# KiCad board digital.kicad_pcb
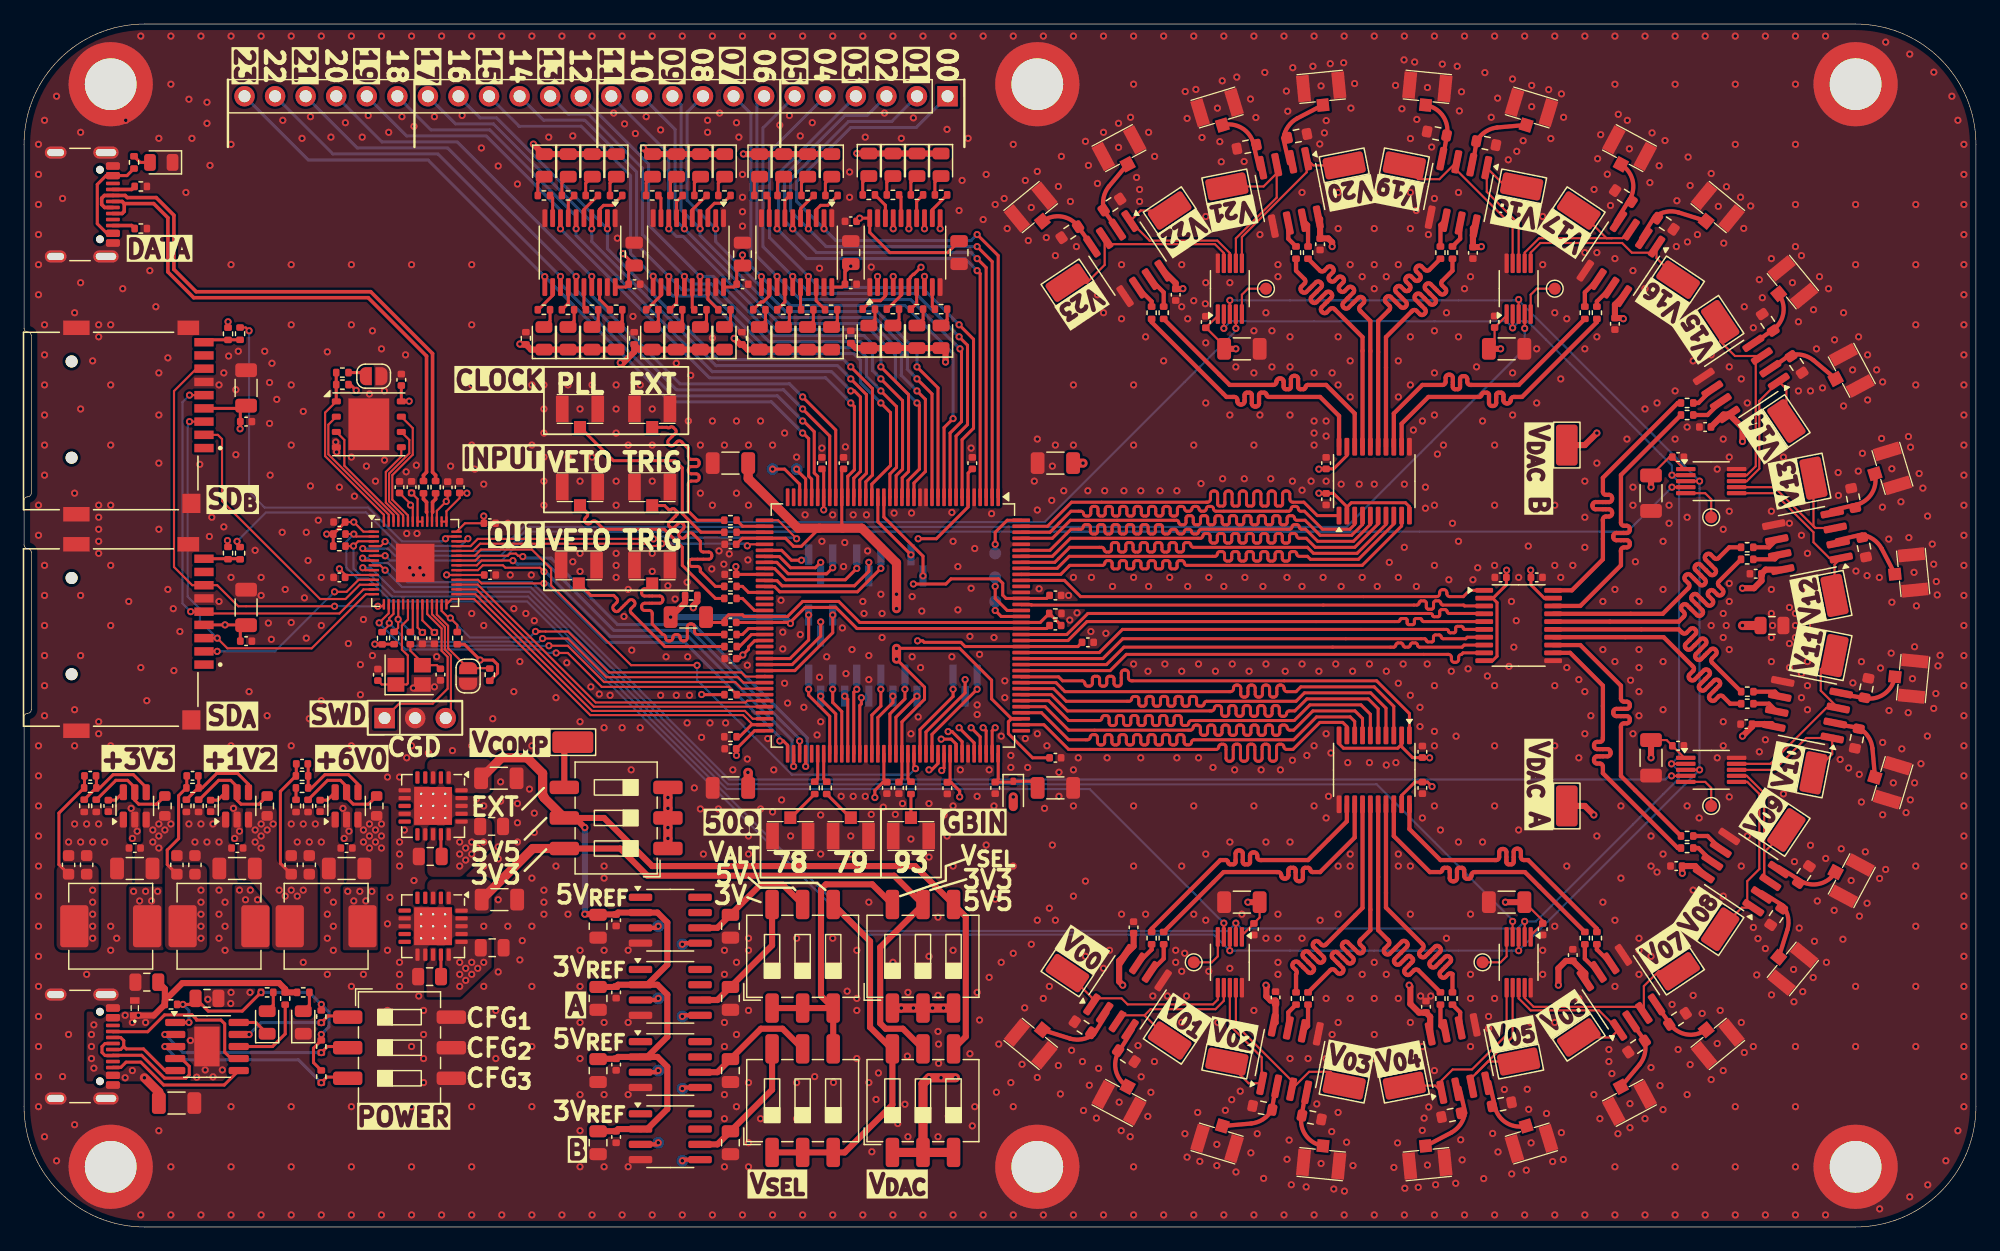
[diagram p0: board, top side]
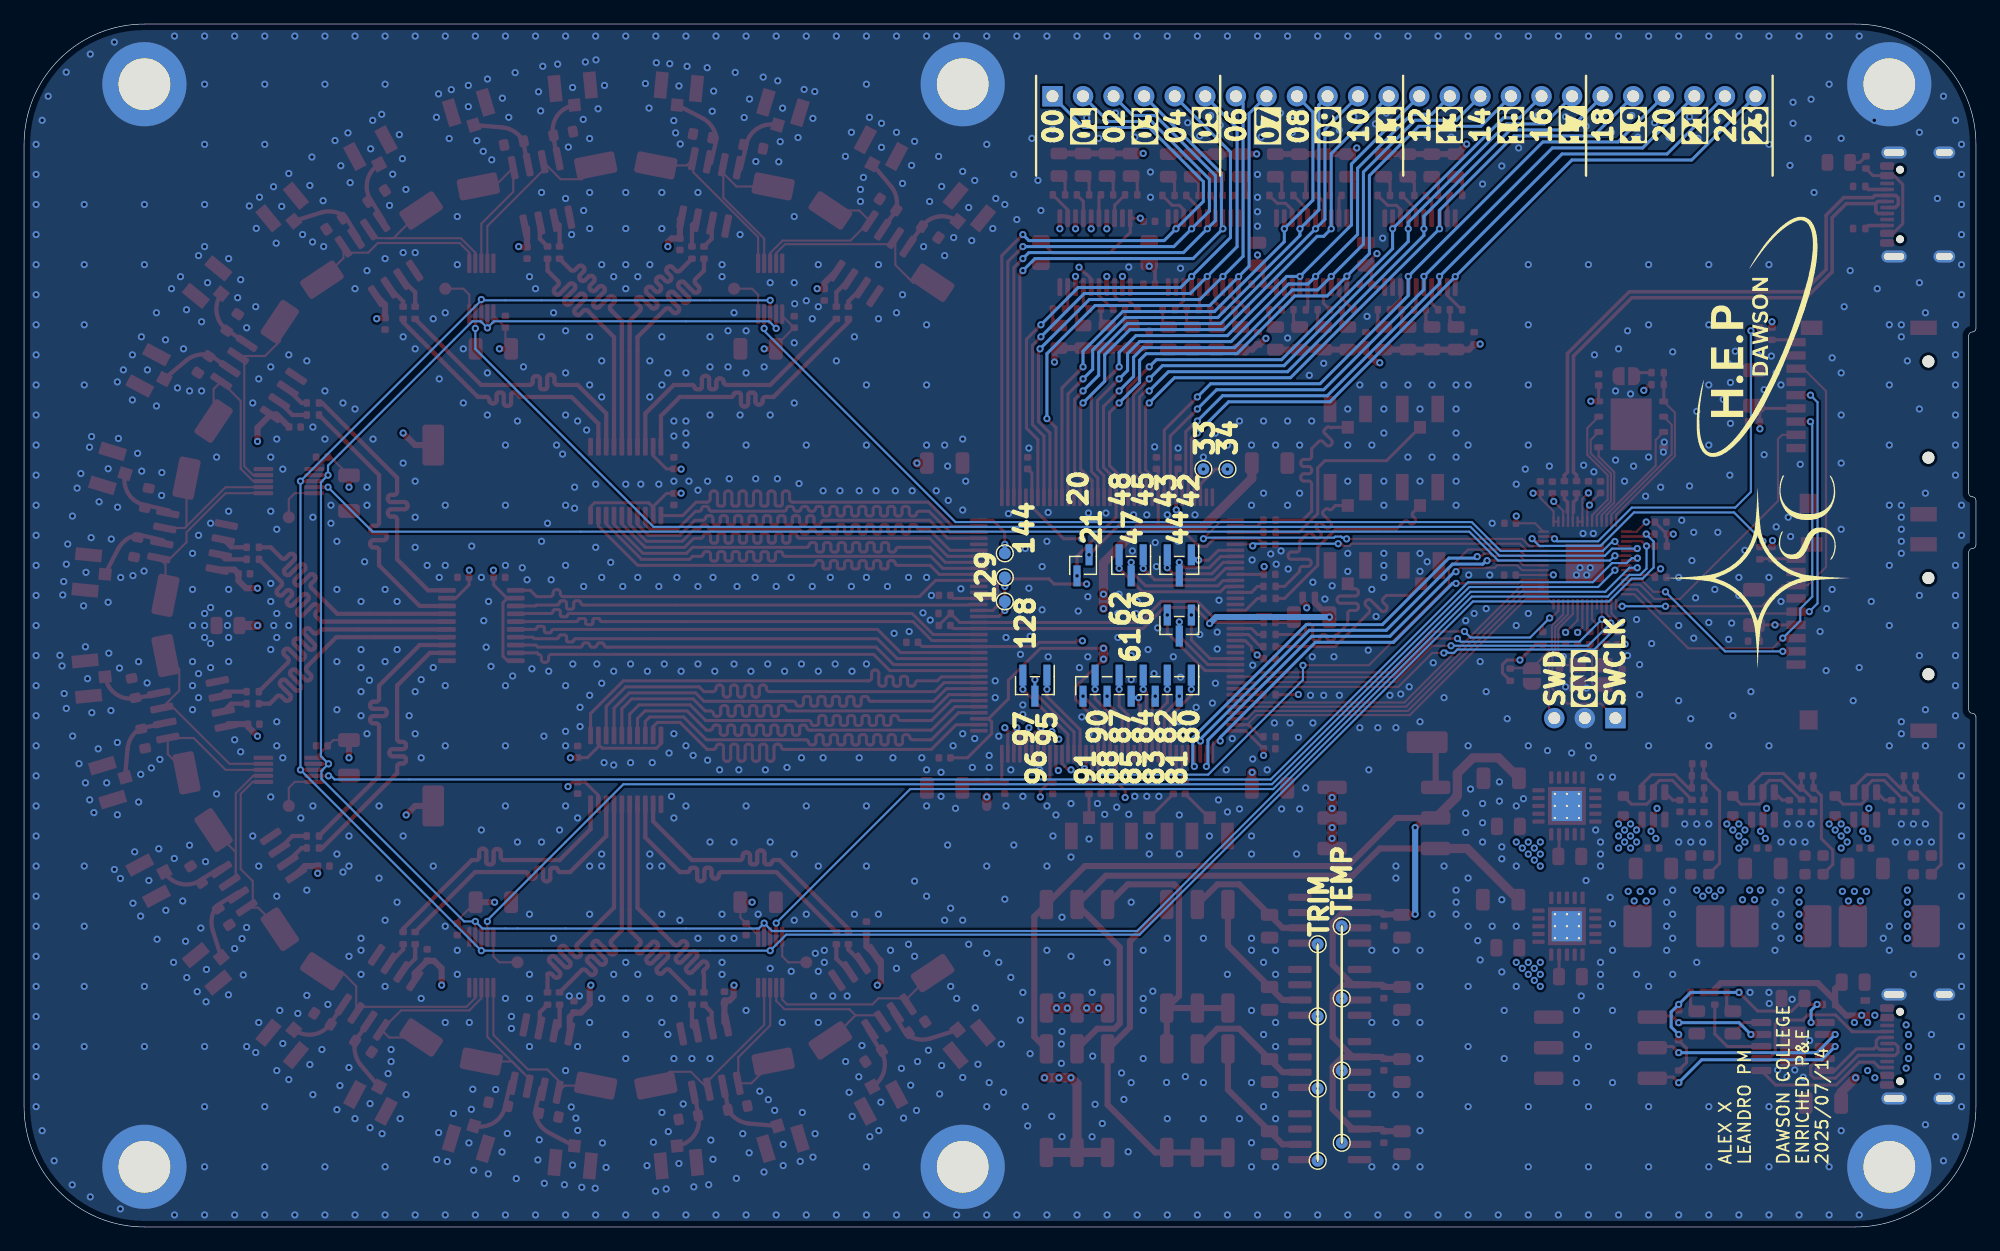
[diagram p1: board, bottom side, seen from below]

Outline 162.2 x 100 mm; copper layers: Top, In1.Cu, In2.Cu, Bottom. Coordinates in mm from the lower left corner of the outline.
Outline path: 0,90 0,74.7 arc(0.09,74.49) 0.3,74.4 arc(0.51,74.31) 0.6,74.1 0.6,61 arc(0.51,60.79) 0.3,60.7 arc(0.09,60.61) 0,60.4 0,56.7 arc(0.09,56.49) 0.3,56.4 arc(0.51,56.31) 0.6,56.1 0.6,43 arc(0.51,42.79) 0.3,42.7 arc(0.09,42.61) 0,42.4 0,10 arc(2.93,2.93) 10,0 152.2,0 arc(159.27,2.93) 162.2,10 162.2,90 arc(159.27,97.07) 152.2,100 10,100 arc(2.93,97.07) 0,90
Stack: Top 0.035mm / dielectric 0.1mm FR4 er 4.5 / In1.Cu 0.035mm / dielectric 1.24mm FR4 er 4.5 / In2.Cu 0.035mm / dielectric 0.1mm FR4 er 4.5 / Bottom 0.035mm

## Placement (name value [footprint] x y rotation side)
C1  100n  [C_0402_1005Metric]  66.3 63.5 90 top
C2  4.7u  [C_1206_3216Metric]  58.7 36.5 180 top
C3  100n  [C_0402_1005Metric]  88.4 48.6 0 top
C4  100n  [C_0402_1005Metric]  71.7 36.5 270 top
C5  100n  [C_0402_1005Metric]  85.7 52.5 0 top
C6  100n  [C_0402_1005Metric]  76.72 36.48 270 top
C7  100n  [C_0402_1005Metric]  58.7 47.25 180 top
C8  100n  [C_0402_1005Metric]  58.7 39.75 180 top
C9  100n  [C_0402_1005Metric]  58.7 54.25 180 top
C10  1u  [C_0805_2012Metric]  77.7 81 90 top
C11  100n  [C_0402_1005Metric]  68.7 83.6 0 top
C12  100n  [C_0402_1005Metric]  72.7 36.5 270 top
C13  100n  [C_0402_1005Metric]  85.7 39 0 top
C14  100n  [C_0402_1005Metric]  58.7 56.75 180 top
C15  100n  [C_0402_1005Metric]  68.1 63.5 90 top
C16  4.7u  [C_1206_3216Metric]  58.7 63.5 180 top
C17  100n  [C_0402_1005Metric]  78.8 63.5 90 top
C18  4.7u  [C_1206_3216Metric]  85.7 63.5 180 top
C19  100n  [C_0402_1005Metric]  80.7 36.5 270 top
C20  4.7u  [C_1206_3216Metric]  85.7 36.5 0 top
C21  100n  [C_0402_1005Metric]  85.7 50 0 top
C22  100n  [C_0402_1005Metric]  58.7 50.25 180 top
C23  4.7u  [C_1206_3216Metric]  55.2 50.7 0 top
C24  100n  [C_0402_1005Metric]  34.1 48.95 270 top
C25  100n  [C_0402_1005Metric]  31.2 61.5 90 top
C26  100n  [C_0402_1005Metric]  26.2 58.6 180 top
C27  100n  [C_0402_1005Metric]  26.2 54 180 top
C28  100n  [C_0402_1005Metric]  38.72 54.2 0 top
C29  100n  [C_0402_1005Metric]  38.7 58.5 0 top
C30  100n  [C_0402_1005Metric]  32.2 61.5 90 top
C31  100n  [C_0402_1005Metric]  33.1 48.95 270 top
C32  100n  [C_0402_1005Metric]  31.35 70.42 90 top
C33  1u 25V  [C_0402_1005Metric]  35.2 61.48 90 top
C34  1u 25V  [C_0402_1005Metric]  36.2 61.5 90 top
C35  10u  [C_1206_3216Metric]  18.45 51.5 90 top
C36  100n  [C_0402_1005Metric]  18.45 48.7 0 top
C37  10u  [C_1206_3216Metric]  18.45 69.75 90 top
C38  100n  [C_0402_1005Metric]  18.45 66.95 0 top
C39  15p  [C_0402_1005Metric]  29.4 45.9 270 top
C40  15p  [C_0402_1005Metric]  34.6 45.92 90 top
C41  100n  [C_0402_1005Metric]  15.5 35 270 top
C42  10u  [C_1206_3216Metric]  17.7 29.8 180 top
C43  100n  [C_0402_1005Metric]  17.72 31.5 0 top
C44  100p  [C_0402_1005Metric]  14 37.5 180 top
C45  22u  [C_0603_1608Metric]  14.2 30.1 270 top
C46  22u  [C_0603_1608Metric]  12.7 30.1 270 top
C47  1u  [C_0805_2012Metric]  38.9 23.21 0 top
C48  1u  [C_0805_2012Metric]  38.85 33.3 0 top
C49  10u  [C_1206_3216Metric]  39.5 27.21 0 top
C50  10u  [C_1206_3216Metric]  39.45 37.3 0 top
C51  100n  [C_0402_1005Metric]  7 35 270 top
C52  1u  [C_0805_2012Metric]  33.7 20.81 180 top
C53  1u  [C_0805_2012Metric]  33.75 30.8 180 top
C54  10u  [C_1206_3216Metric]  9.2 29.8 180 top
C55  100n  [C_0402_1005Metric]  9.2 31.5 0 top
C56  47p  [C_0402_1005Metric]  5.5 37.5 180 top
C57  22u  [C_0603_1608Metric]  3.7 30.1 270 top
C58  22u  [C_0603_1608Metric]  5.2 30.1 270 top
C59  100n  [C_0402_1005Metric]  24.6 35 270 top
C60  10u  [C_1206_3216Metric]  26.8 29.8 180 top
C61  100n  [C_0402_1005Metric]  26.8 31.5 0 top
C62  47p  [C_0402_1005Metric]  23.1 38.5 180 top
C63  22u  [C_0603_1608Metric]  23.7 30.1 270 top
C64  22u  [C_0603_1608Metric]  22.2 30.1 270 top
C65  10u  [C_1206_3216Metric]  12.67 10.3 0 top
C66  1u  [C_0805_2012Metric]  10.2 20.35 180 top
C67  1u  [C_0805_2012Metric]  15.2 19 0 top
C68  1u  [C_0805_2012Metric]  68.7 81 270 top
C69  100n  [C_0402_1005Metric]  68.7 78.38 180 top
C70  1u  [C_0805_2012Metric]  59.7 80.88 270 top
C71  100n  [C_0402_1005Metric]  59.7 78.38 180 top
C72  1u  [C_0805_2012Metric]  50.7 80.88 270 top
C73  100n  [C_0402_1005Metric]  50.72 78.38 180 top
C74  100n  [C_0402_1005Metric]  49.2 7.48 270 top
C75  1u  [C_0805_2012Metric]  47.7 7 270 top
C76  10u  [C_1206_3216Metric]  101.2 27 180 top
C77  100n  [C_0402_1005Metric]  102.2 24.75 270 top
C78  1u  [C_0805_2012Metric]  58.7 7 270 top
C79  10u  [C_1206_3216Metric]  123.2 27 180 top
C80  100n  [C_0402_1005Metric]  126.2 24.75 270 top
C81  100n  [C_0402_1005Metric]  49.2 13.5 270 top
C82  1u  [C_0805_2012Metric]  47.7 13 270 top
C83  1u  [C_0805_2012Metric]  58.7 13 270 top
C84  10u  [C_1206_3216Metric]  135.2 39 270 top
C85  100n  [C_0402_1005Metric]  137.45 40 0 top
C86  100n  [C_0402_1005Metric]  49.2 19.5 270 top
C87  1u  [C_0805_2012Metric]  47.7 19 270 top
C88  10u  [C_1206_3216Metric]  135.2 61 270 top
C89  100n  [C_0402_1005Metric]  137.45 64 0 top
C90  1u  [C_0805_2012Metric]  58.7 19 270 top
C91  10u  [C_1206_3216Metric]  123.2 73 0 top
C92  100n  [C_0402_1005Metric]  122.2 75.25 90 top
C93  100n  [C_0402_1005Metric]  49.2 25.5 270 top
C94  1u  [C_0805_2012Metric]  47.7 25 270 top
C95  1u  [C_0805_2012Metric]  58.7 25 270 top
C96  10u  [C_1206_3216Metric]  101.2 73 0 top
C97  100n  [C_0402_1005Metric]  98.2 75.23 90 top
C98  100n  [C_0402_1005Metric]  116.2 36.5 270 top
C99  100n  [C_0402_1005Metric]  116.2 39.5 90 top
C100  100n  [C_0402_1005Metric]  92.2 24.9 270 top
C101  100n  [C_0402_1005Metric]  143.9 54.3 0 top
C102  100n  [C_0402_1005Metric]  125.7 54 0 top
C103  100n  [C_0402_1005Metric]  122.7 54 180 top
C104  100n  [C_0402_1005Metric]  104 19.08 270 top
C105  100n  [C_0402_1005Metric]  139.7 66.5 0 top
C106  100n  [C_0402_1005Metric]  116.5 18.3 270 top
C107  100n  [C_0402_1005Metric]  132.2 75.08 90 top
C108  100n  [C_0402_1005Metric]  108.2 63.5 90 top
C109  100n  [C_0402_1005Metric]  108.2 60.5 270 top
C110  100n  [C_0402_1005Metric]  128.7 22.6 270 top
C111  100n  [C_0402_1005Metric]  120.4 80.98 90 top
C112  1u  [C_0805_2012Metric]  145.25 50 0 top
C113  100n  [C_0402_1005Metric]  137.3 30 0 top
C114  100n  [C_0402_1005Metric]  107.7 81.7 90 top
C115  100n  [C_0402_1005Metric]  143.12 41.8 0 top
C116  100n  [C_0402_1005Metric]  95.7 77.5 90 top
D1  LED  [LED_0805_2012Metric]  70.2 88.3 270 top
D2  LED  [LED_0805_2012Metric]  72.2 88.3 270 top
D3  LED  [LED_0805_2012Metric]  74.2 88.3 270 top
D4  LED  [LED_0805_2012Metric]  76.2 88.3 270 top
D5  LED  [LED_0805_2012Metric]  70.2 74 90 top
D6  LED  [LED_0805_2012Metric]  72.2 74 90 top
D7  1N4148WS  [D_SOD-323]  82.2 36 270 top
D8  LED  [LED_0805_2012Metric]  74.2 74 90 top
D9  LED  [LED_0805_2012Metric]  76.2 74 90 top
D10  ESDA25P35  [D_1610_4027Metric]  9.2 18.2 90 top
D11  LED  [LED_0805_2012Metric]  23.2 17 90 top
D12  LED  [LED_0805_2012Metric]  20.2 17 90 top
D13  LED  [LED_0805_2012Metric]  11.4 88.5 180 top
D14  LED  [LED_0805_2012Metric]  67.1 73.88 90 top
D15  LED  [LED_0805_2012Metric]  65.1 73.88 90 top
D16  LED  [LED_0805_2012Metric]  63.1 73.88 90 top
D17  LED  [LED_0805_2012Metric]  61.1 73.88 90 top
D18  LED  [LED_0805_2012Metric]  67.12 88.25 270 top
D19  LED  [LED_0805_2012Metric]  65.12 88.25 270 top
D20  LED  [LED_0805_2012Metric]  63.12 88.25 270 top
D21  LED  [LED_0805_2012Metric]  61.12 88.25 270 top
D22  LED  [LED_0805_2012Metric]  58.2 73.88 90 top
D23  LED  [LED_0805_2012Metric]  56.2 73.88 90 top
D24  LED  [LED_0805_2012Metric]  54.2 73.88 90 top
D25  LED  [LED_0805_2012Metric]  52.2 73.88 90 top
D26  LED  [LED_0805_2012Metric]  58.22 88.25 270 top
D27  LED  [LED_0805_2012Metric]  56.22 88.25 270 top
D28  LED  [LED_0805_2012Metric]  54.22 88.25 270 top
D29  LED  [LED_0805_2012Metric]  52.22 88.25 270 top
D30  LED  [LED_0805_2012Metric]  49.2 73.88 90 top
D31  LED  [LED_0805_2012Metric]  47.2 73.88 90 top
D32  LED  [LED_0805_2012Metric]  45.2 73.88 90 top
D33  LED  [LED_0805_2012Metric]  43.2 73.88 90 top
D34  LED  [LED_0805_2012Metric]  49.22 88.25 270 top
D35  LED  [LED_0805_2012Metric]  47.22 88.25 270 top
D36  LED  [LED_0805_2012Metric]  45.22 88.25 270 top
D37  LED  [LED_0805_2012Metric]  43.22 88.25 270 top
G***  LOGO  [opentrig]  27.2 84 0 top
G***#2  LOGO  [hep_20mm]  18.2 74 90 bottom
G***#3  LOGO  [sc_17mm]  18.2 54 90 bottom
H1  M4  [MountingHole_4.3mm_M4_ISO14580_Pad_TopBottom]  7.2 95 0 top
H2  M4  [MountingHole_4.3mm_M4_ISO14580_Pad_TopBottom]  7.2 5 0 top
H3  M4  [MountingHole_4.3mm_M4_ISO14580_Pad_TopBottom]  84.2 5 0 top
H4  M4  [MountingHole_4.3mm_M4_ISO14580_Pad_TopBottom]  84.2 95 0 top
H5  M4  [MountingHole_4.3mm_M4_ISO14580_Pad_TopBottom]  152.2 95 0 top
H6  M4  [MountingHole_4.3mm_M4_ISO14580_Pad_TopBottom]  152.2 5 0 top
J1  IPEX-1  [BWIPX-1-001E]  63.67 32.5 0 top
J2  IPEX-1  [BWIPX-1-001E]  68.7 32.5 0 top
J3  IPEX-1  [BWIPX-1-001E]  52.2 68 180 top
J4  IPEX-1  [BWIPX-1-001E]  73.7 32.5 0 top
J5  IPEX-1  [BWIPX-1-001E]  46.2 68 180 top
J6  IPEX-1  [BWIPX-1-001E]  46.2 61.5 180 top
J7  IPEX-1  [BWIPX-1-001E]  46.1 55 180 top
J8  IPEX-1  [BWIPX-1-001E]  52.2 61.5 180 top
J9  IPEX-1  [BWIPX-1-001E]  52.2 55 180 top
J10  Conn_01x03_Pin  [PinHeader_1x03_P1.00mm_Vertical_SMD_Pin1Left]  66.2 55 270 bottom
J11  Conn_01x03_Pin  [PinHeader_1x03_P1.00mm_Vertical_SMD_Pin1Left]  70.2 55 270 bottom
J12  Conn_01x10_Pin  [PinHeader_1x10_P1.00mm_Vertical_SMD_Pin1Left]  69.7 45 270 bottom
J13  Conn_01x03_Pin  [PinHeader_1x03_P1.00mm_Vertical_SMD_Pin1Left]  66.2 50 270 bottom
J14  Conn_01x02_Pin  [PinHeader_1x02_P1.00mm_Vertical_SMD_Pin1Left]  74.2 55 270 bottom
J15  Conn_01x03_Pin  [PinHeader_1x03_P1.00mm_Vertical_SMD_Pin1Left]  78.2 45 270 bottom
J16  Micro_SD_Card_Det1  [microSD_HC_MSD-4-A]  7.2 49 270 top
J17  Conn_01x03_Pin  [PinHeader_1x03_P2.54mm_Vertical]  29.96 42.3 90 top
J18  Micro_SD_Card_Det1  [microSD_HC_MSD-4-A]  7.2 67 270 top
J19  USB_C_Receptacle_USB2.0_16P  [USB_C_Receptacle_GCT_USB4105-xx-A_16P_TopMnt_Horizontal]  3.7 15 270 top
J20  USB_C_Receptacle_USB2.0_16P  [USB_C_Receptacle_GCT_USB4105-xx-A_16P_TopMnt_Horizontal]  3.7 85 270 top
J21  IPEX-1  [BWIPX-1-001E]  83.65 15.21 320.6 top
J22  IPEX-1  [BWIPX-1-001E]  156.98 54.41 95.6 top
J23  IPEX-1  [BWIPX-1-001E]  90.99 10.31 331.9 top
J24  IPEX-1  [BWIPX-1-001E]  155.26 63.06 106.9 top
J25  IPEX-1  [BWIPX-1-001E]  99.14 6.94 343.1 top
J26  IPEX-1  [BWIPX-1-001E]  151.89 71.21 118.1 top
J27  IPEX-1  [BWIPX-1-001E]  107.79 5.22 354.4 top
J28  IPEX-1  [BWIPX-1-001E]  146.99 78.55 129.4 top
J29  IPEX-1  [BWIPX-1-001E]  116.61 5.22 5.6 top
J30  IPEX-1  [BWIPX-1-001E]  140.75 84.79 140.6 top
J31  IPEX-1  [BWIPX-1-001E]  125.26 6.94 16.9 top
J32  IPEX-1  [BWIPX-1-001E]  133.41 89.69 151.9 top
J33  IPEX-1  [BWIPX-1-001E]  133.41 10.31 28.1 top
J34  IPEX-1  [BWIPX-1-001E]  125.26 93.06 163.1 top
J35  IPEX-1  [BWIPX-1-001E]  140.75 15.21 39.4 top
J36  IPEX-1  [BWIPX-1-001E]  116.61 94.78 174.4 top
J37  IPEX-1  [BWIPX-1-001E]  146.99 21.45 50.6 top
J38  IPEX-1  [BWIPX-1-001E]  107.79 94.78 185.6 top
J39  IPEX-1  [BWIPX-1-001E]  151.89 28.79 61.9 top
J40  IPEX-1  [BWIPX-1-001E]  99.14 93.06 196.9 top
J41  IPEX-1  [BWIPX-1-001E]  155.26 36.94 73.1 top
J42  IPEX-1  [BWIPX-1-001E]  90.99 89.69 208.1 top
J43  IPEX-1  [BWIPX-1-001E]  156.98 45.59 84.4 top
J44  IPEX-1  [BWIPX-1-001E]  83.65 84.79 219.4 top
J45  Conn_01x24_Pin  [PinHeader_1x24_P2.54mm_Vertical]  76.74 94 270 top
JP1  SolderJumper_2_Open  [SolderJumper-2_P1.3mm_Open_RoundedPad1.0x1.5mm]  36.9 45.8 90 top
JP2  SolderJumper_2_Open  [SolderJumper-2_P1.3mm_Open_RoundedPad1.0x1.5mm]  29.05 70.72 180 top
L1  10uH  [L_Changjiang_FXL0630]  16.2 25 180 top
L2  10uH  [L_Changjiang_FXL0630]  7.2 25 180 top
L3  10uH  [L_Changjiang_FXL0630]  25.1 25 180 top
R1  49.9R  [R_0402_1005Metric]  65.7 36.5 90 top
R2  49.9R  [R_0402_1005Metric]  66.7 36.5 90 top
R3  0R  [R_0402_1005Metric]  58.7 58.75 0 top
R4  0R  [R_0402_1005Metric]  73.7 36.5 90 top
R5  0R  [R_0402_1005Metric]  58.7 57.75 0 top
R6  0R  [R_0402_1005Metric]  58.7 52.25 0 top
R7  0R  [R_0402_1005Metric]  58.71 48.25 0 top
R8  0R  [R_0402_1005Metric]  58.7 53.25 0 top
R9  0R  [R_0402_1005Metric]  58.7 49.25 0 top
R10  470R  [R_0402_1005Metric]  70.2 85.8 0 top
R11  470R  [R_0402_1005Metric]  72.2 85.8 0 top
R12  470R  [R_0402_1005Metric]  74.2 85.8 0 top
R13  470R  [R_0402_1005Metric]  76.2 85.8 0 top
R14  470R  [R_0402_1005Metric]  70.2 76.3 180 top
R15  470R  [R_0402_1005Metric]  72.2 76.3 180 top
R16  470R  [R_0402_1005Metric]  74.2 76.3 180 top
R17  100R  [R_0402_1005Metric]  55.44 52.5 180 top
R18  470R  [R_0402_1005Metric]  76.2 76.3 180 top
R19  0R  [R_0402_1005Metric]  68.7 73.99 90 top
R20  0R  [R_0402_1005Metric]  85.7 51 0 top  (not fitted)
R21  10k  [R_0402_1005Metric]  26.45 70.03 180 top
R22  4.7k  [R_0402_1005Metric]  26.2 56.6 0 top
R23  4.7k  [R_0402_1005Metric]  26.2 57.6 0 top
R24  1k  [R_0402_1005Metric]  38.7 45.91 270 top
R25  27R  [R_0402_1005Metric]  33.19 61.5 270 top
R26  27R  [R_0402_1005Metric]  34.2 61.5 270 top
R27  1k  [R_0402_1005Metric]  26.45 71.03 180 top
R28  10k  [R_0402_1005Metric]  36 48.95 90 top
R29  10k  [R_0402_1005Metric]  30.75 48.96 90 top
R30  10k  [R_0402_1005Metric]  29.75 48.94 90 top
R31  10k  [R_0402_1005Metric]  58.71 44.25 0 top
R32  10k  [R_0402_1005Metric]  16.95 56.02 270 top
R33  0R  [R_0402_1005Metric]  17.95 56.01 90 top
R34  10k  [R_0402_1005Metric]  58.7 40.75 0 top
R35  10k  [R_0402_1005Metric]  16.95 74.25 270 top
R36  0R  [R_0402_1005Metric]  17.95 74.26 90 top
R37  1k  [R_0402_1005Metric]  32.1 48.95 90 top
R38  47k  [R_0402_1005Metric]  14 36.5 180 top
R39  100k  [R_0603_1608Metric]  20.2 35 90 top
R40  47k  [R_0402_1005Metric]  13.49 35.01 90 top
R41  33k  [R_0402_1005Metric]  14.5 35.01 90 top
R42  100k  [R_0402_1005Metric]  5.5 36.5 180 top
R43  100k  [R_0603_1608Metric]  11.7 35 90 top
R44  22k  [R_0402_1005Metric]  5 35.01 90 top
R45  33k  [R_0402_1005Metric]  6 35.01 90 top
R46  100k  [R_0402_1005Metric]  23.1 37.5 180 top
R47  220k  [R_0603_1608Metric]  29.3 35 90 top
R48  10k  [R_0402_1005Metric]  23.1 36.5 180 top
R49  47k  [R_0402_1005Metric]  23.6 35 90 top
R50  1k  [R_0402_1005Metric]  22.6 35 90 top
R51  10k  [R_0402_1005Metric]  21.7 18.99 270 top
R52  1k  [R_0402_1005Metric]  12.21 18.5 0 top
R53  22k  [R_0402_1005Metric]  23.2 19.5 0 top
R54  1k  [R_0402_1005Metric]  20.2 19.5 0 top
R55  10k  [R_0402_1005Metric]  24.7 17.49 90 top
R56  10k  [R_0402_1005Metric]  24.7 15 90 top
R57  10k  [R_0402_1005Metric]  24.7 12.5 90 top
R58  470R  [R_0402_1005Metric]  9.14 88.5 270 top
R59  5.1k  [R_0402_1005Metric]  9.7 86.5 180 top
R60  5.1k  [R_0402_1005Metric]  9.7 83 0 top
R61  470R  [R_0402_1005Metric]  67.07 76.25 180 top
R62  470R  [R_0402_1005Metric]  65.08 76.25 180 top
R63  470R  [R_0402_1005Metric]  63.09 76.25 180 top
R64  470R  [R_0402_1005Metric]  61.1 76.25 180 top
R65  470R  [R_0402_1005Metric]  67.1 85.75 0 top
R66  470R  [R_0402_1005Metric]  65.11 85.75 0 top
R67  470R  [R_0402_1005Metric]  63.12 85.75 0 top
R68  470R  [R_0402_1005Metric]  61.19 85.75 0 top
R69  0R  [R_0402_1005Metric]  59.65 73.88 90 top
R70  470R  [R_0402_1005Metric]  58.2 76.25 180 top
R71  470R  [R_0402_1005Metric]  56.2 76.25 180 top
R72  470R  [R_0402_1005Metric]  54.19 76.25 180 top
R73  470R  [R_0402_1005Metric]  52.2 76.25 180 top
R74  470R  [R_0402_1005Metric]  58.2 85.75 0 top
R75  470R  [R_0402_1005Metric]  56.21 85.75 0 top
R76  470R  [R_0402_1005Metric]  54.22 85.75 0 top
R77  470R  [R_0402_1005Metric]  52.2 85.75 0 top
R78  0R  [R_0402_1005Metric]  50.7 73.88 90 top
R80  470R  [R_0402_1005Metric]  49.2 76.25 180 top
R81  470R  [R_0402_1005Metric]  47.2 76.25 180 top
R82  470R  [R_0402_1005Metric]  45.2 76.25 180 top
R83  470R  [R_0402_1005Metric]  43.2 76.25 180 top
R84  470R  [R_0402_1005Metric]  49.2 85.75 0 top
R85  470R  [R_0402_1005Metric]  47.18 85.75 0 top
R86  470R  [R_0402_1005Metric]  45.2 85.75 0 top
R87  470R  [R_0402_1005Metric]  43.2 85.75 0 top
R88  0R  [R_0402_1005Metric]  41.7 73.88 90 top
R89  49.9R  [R_0603_1608Metric]  88 16.6 326.2 top
R90  49.9R  [R_0603_1608Metric]  152.9 56.5 101.2 top
R91  10R  [R_0402_1005Metric]  130.7 24.01 90 top
R92  10R  [R_0402_1005Metric]  129.7 24.01 90 top
R93  10R  [R_0402_1005Metric]  118.7 18.99 90 top
R94  10R  [R_0402_1005Metric]  117.7 18.99 90 top
R95  10R  [R_0402_1005Metric]  106.7 18.99 90 top
R96  49.9R  [R_0603_1608Metric]  91.6 14.2 146.2 top
R97  49.9R  [R_0603_1608Metric]  152 60.6 281.2 top
R98  10R  [R_0402_1005Metric]  105.7 18.99 90 top
R99  10R  [R_0402_1005Metric]  94.7 24.01 90 top
R100  10R  [R_0402_1005Metric]  93.7 24.01 90 top
R101  49.9R  [R_0603_1608Metric]  102.9 9.9 348.8 top
R102  49.9R  [R_0603_1608Metric]  147.3 71.7 123.8 top
R103  49.9R  [R_0603_1608Metric]  107 9.1 168.8 top
R104  49.9R  [R_0603_1608Metric]  144.9 75.2 303.8 top
R105  10R  [R_0402_1005Metric]  138.2 68.5 180 top
R106  10R  [R_0402_1005Metric]  138.2 67.5 180 top
R107  49.9R  [R_0603_1608Metric]  118.6 9.3 11.2 top
R108  49.9R  [R_0603_1608Metric]  136.39 83.4 146.2 top
R109  10R  [R_0402_1005Metric]  143.19 56.5 180 top
R110  10R  [R_0402_1005Metric]  143.19 55.5 180 top
R111  10R  [R_0402_1005Metric]  143.2 44.5 180 top
R112  10R  [R_0402_1005Metric]  143.2 43.5 180 top
R113  10R  [R_0402_1005Metric]  138.2 32.5 180 top
R114  49.9R  [R_0603_1608Metric]  122.8 10.2 191.2 top
R115  49.9R  [R_0603_1608Metric]  132.9 85.7 326.2 top
R116  10R  [R_0402_1005Metric]  138.2 31.5 180 top
R117  49.9R  [R_0603_1608Metric]  134 15 33.8 top
R118  49.9R  [R_0603_1608Metric]  121.5 90.1 168.8 top
R119  49.9R  [R_0603_1608Metric]  137.4 17.3 213.8 top
R120  49.9R  [R_0603_1608Metric]  117.4 90.9 348.8 top
R121  10R  [R_0402_1005Metric]  93.7 76 270 top
R122  10R  [R_0402_1005Metric]  94.7 76 270 top
R123  10R  [R_0402_1005Metric]  105.7 81 270 top
R124  49.9R  [R_0603_1608Metric]  145.6 25.8 56.2 top
R125  49.9R  [R_0603_1608Metric]  105.8 90.7 191.2 top
R126  10R  [R_0402_1005Metric]  106.7 81 270 top
R127  10R  [R_0402_1005Metric]  117.7 81 270 top
R128  10R  [R_0402_1005Metric]  118.7 81 270 top
R129  10R  [R_0402_1005Metric]  129.7 76 270 top
R130  10R  [R_0402_1005Metric]  130.7 76 270 top
R131  49.9R  [R_0603_1608Metric]  147.9 29.3 236.2 top
R132  49.9R  [R_0603_1608Metric]  101.6 89.8 11.2 top
R133  49.9R  [R_0603_1608Metric]  152.3 40.6 78.8 top
R134  49.9R  [R_0603_1608Metric]  90.4 85 213.8 top
R135  49.9R  [R_0603_1608Metric]  153.1 44.8 258.8 top
R136  49.9R  [R_0603_1608Metric]  86.9 82.7 33.8 top
SW1  SW_DIP_x03  [SW_DIP_SPSTx03_Slide_6.7x9.18mm_W8.61mm_P2.54mm_LowProfile]  31.2 14.9 0 top
SW2  SW_DIP_x03  [SW_DIP_SPSTx03_Slide_6.7x9.18mm_W8.61mm_P2.54mm_LowProfile]  74.7 10.5 90 top
SW3  SW_DIP_x03  [SW_DIP_SPSTx03_Slide_6.7x9.18mm_W8.61mm_P2.54mm_LowProfile]  64.7 10.5 90 top
SW4  SW_DIP_x03  [SW_DIP_SPSTx03_Slide_6.7x9.18mm_W8.61mm_P2.54mm_LowProfile]  74.7 22.5 90 top
SW5  SW_DIP_x03  [SW_DIP_SPSTx03_Slide_6.7x9.18mm_W8.61mm_P2.54mm_LowProfile]  64.7 22.5 90 top
SW6  SW_DIP_x03  [SW_DIP_SPSTx03_Slide_6.7x9.18mm_W8.61mm_P2.54mm_LowProfile]  49.2 34 180 top
TP1  TestPoint  [TestPoint_Pad_D1.0mm]  80.7 52 180 bottom
TP2  TestPoint  [TestPoint_Pad_D1.0mm]  80.7 54 180 bottom
TP3  TestPoint  [TestPoint_Pad_D1.0mm]  80.7 56 180 bottom
TP4  TestPoint_Alt  [TestPoint_Keystone_5015_Micro_Mini]  128.2 35 90 top
TP5  TestPoint  [TestPoint_Pad_D1.0mm]  52.7 7 90 bottom
TP6  TestPoint  [TestPoint_Pad_D1.0mm]  54.7 5.5 90 bottom
TP7  TestPoint_Alt  [TestPoint_Keystone_5015_Micro_Mini]  86.7 21.1 146.2 top
TP8  TestPoint_Alt  [TestPoint_Keystone_5015_Micro_Mini]  95.2 15.5 146.2 top
TP9  TestPoint_Alt  [TestPoint_Keystone_5015_Micro_Mini]  99.95 13.75 168.8 top
TP10  TestPoint_Alt  [TestPoint_Keystone_5015_Micro_Mini]  109.7 11.75 168.8 top
TP11  TestPoint  [TestPoint_Pad_D1.0mm]  97.2 22 90 top
TP12  TestPoint_Alt  [TestPoint_Keystone_5015_Micro_Mini]  114.7 11.75 191.2 top
TP13  TestPoint_Alt  [TestPoint_Keystone_5015_Micro_Mini]  124.2 13.75 191.2 top
TP14  TestPoint  [TestPoint_Pad_D1.0mm]  52.7 13 90 bottom
TP15  TestPoint_Alt  [TestPoint_Keystone_5015_Micro_Mini]  129.2 15.75 213.8 top
TP16  TestPoint  [TestPoint_Pad_D1.0mm]  54.7 11.5 90 bottom
TP17  TestPoint_Alt  [TestPoint_Keystone_5015_Micro_Mini]  137.45 21.25 213.8 top